# Altium PCB Lancelot.PcbDoc (part 5 of 14)
Units mil, origin at the board's own origin, x right, y up, seen from the top; angles counter-clockwise.
Board outline 4837.61 x 3252.61 mil, 6 copper layers (Top Layer, Mid-Layer 1, Mid-Layer 2, Mid-Layer 3, Mid-Layer 4, Bottom Layer); 372 components, 275 nets, 2062 pads, 1350 vias.
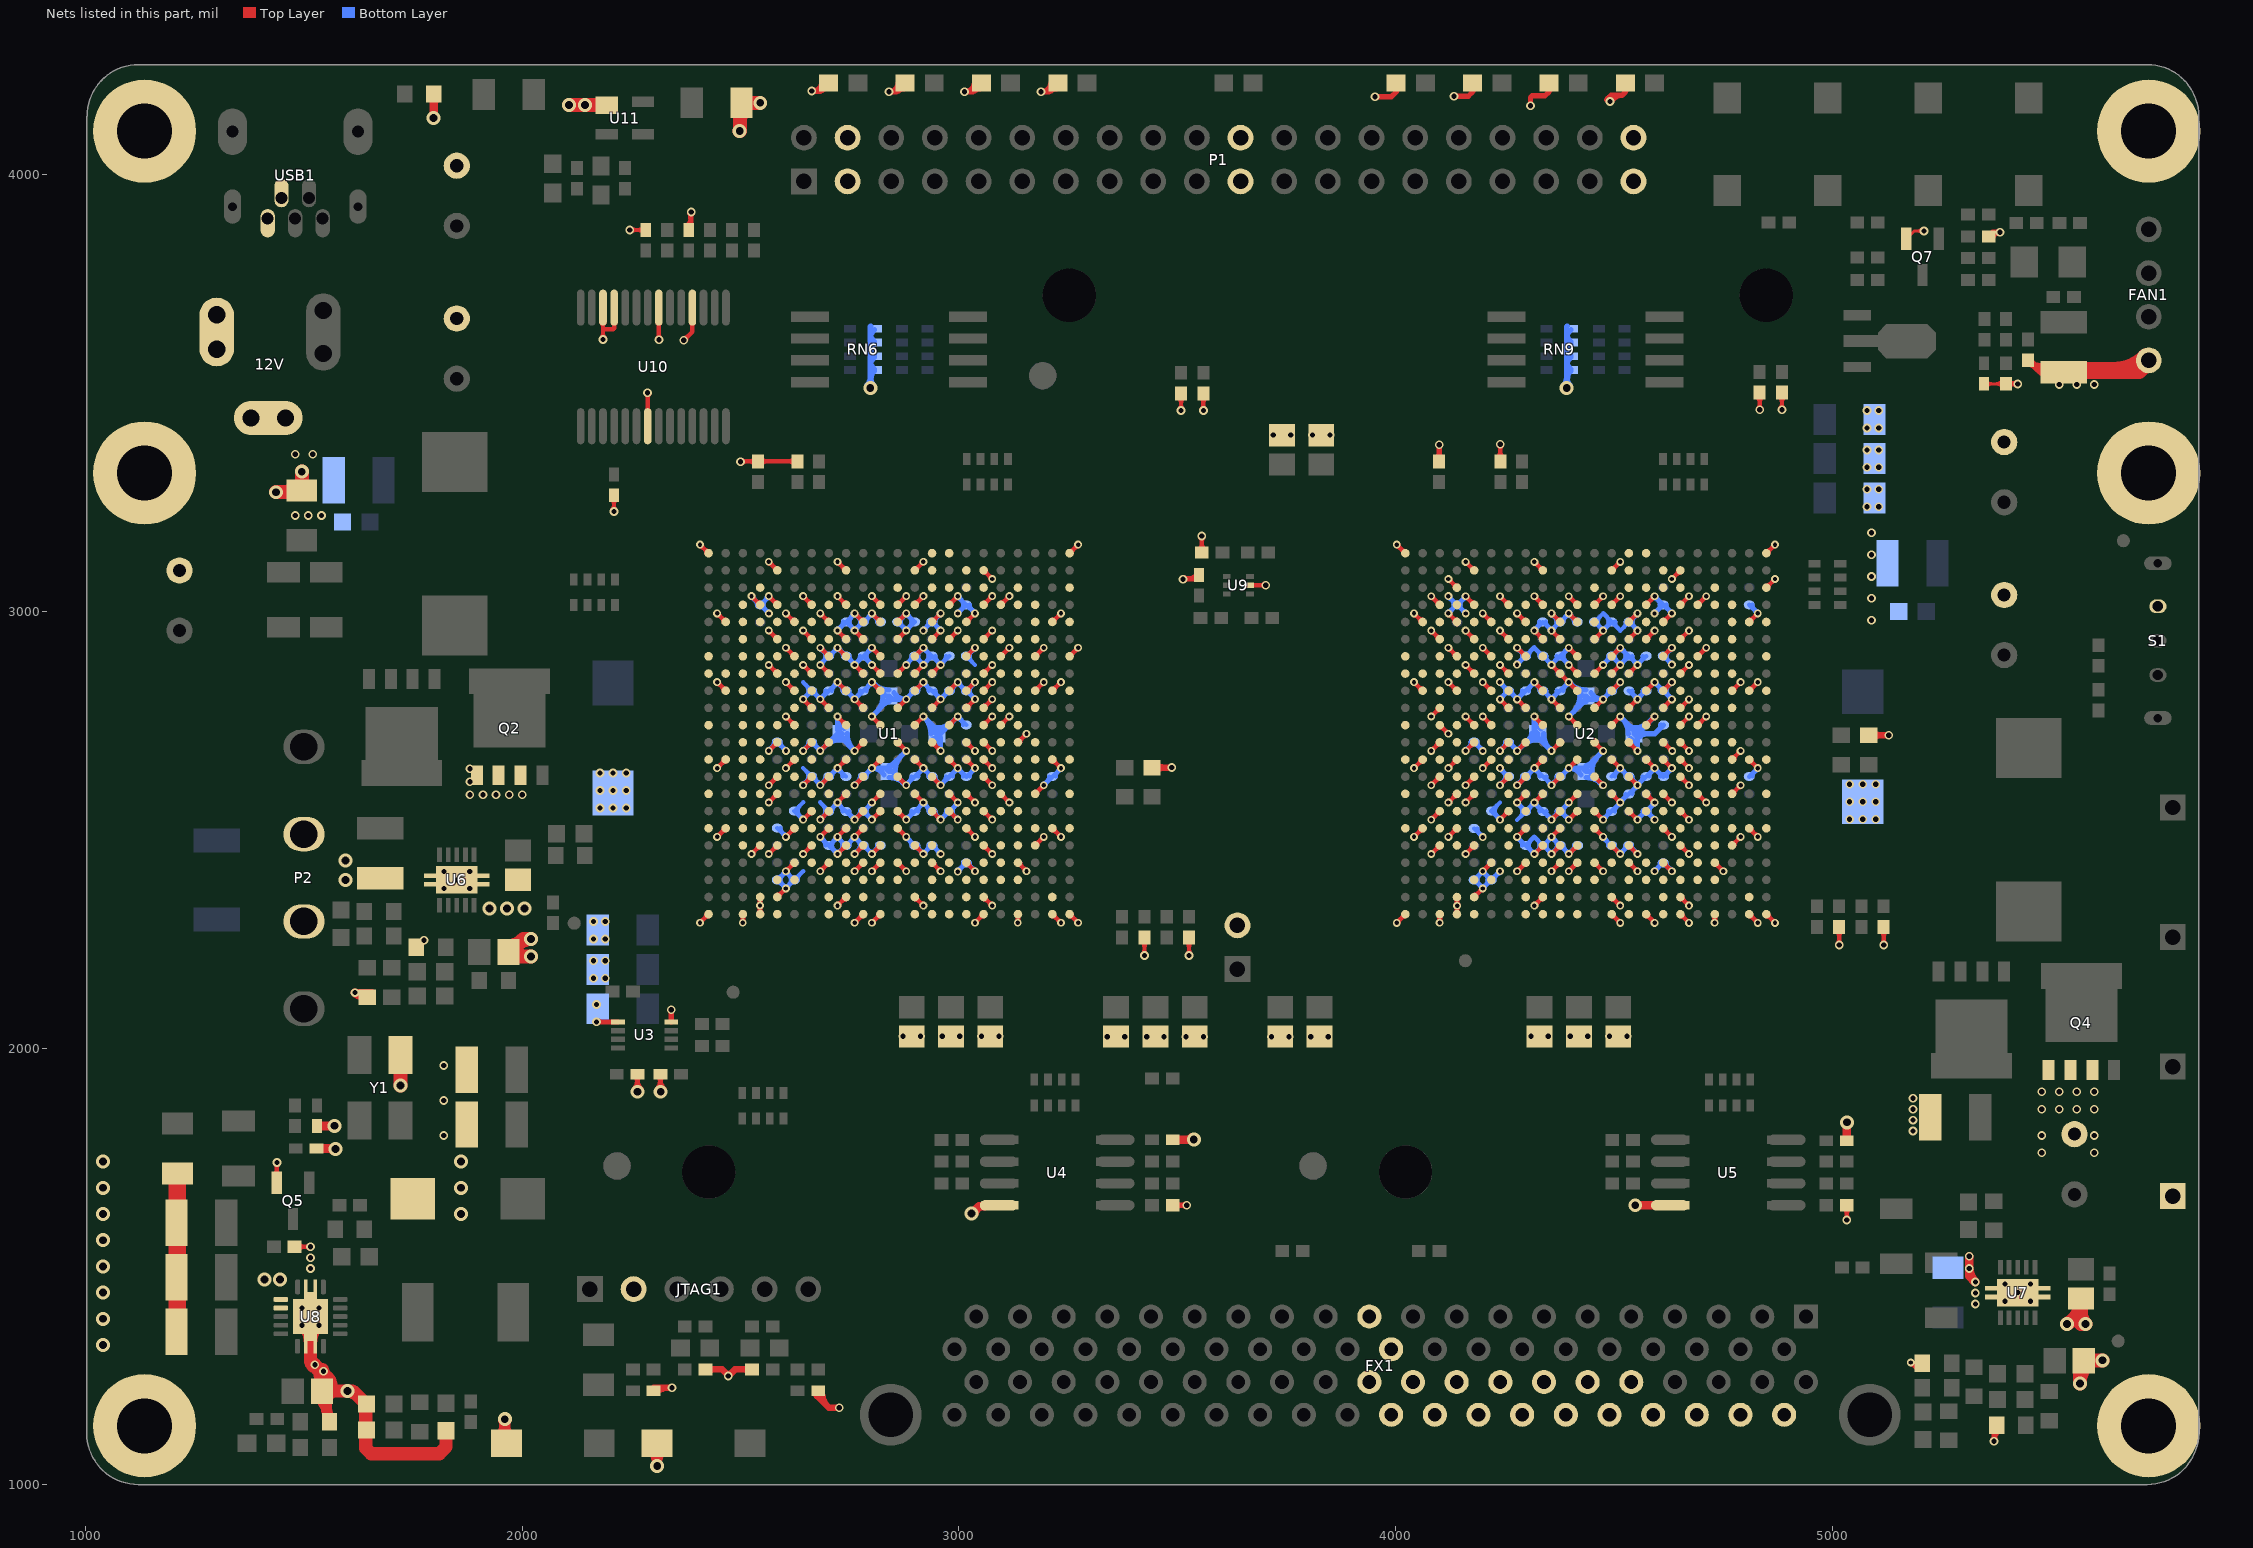
[diagram p9: the nets of this part, all layers, seen from the top]

## Via types
v1: diameter 18, hole 10, Top Layer to Bottom Layer, tented both sides, 625 vias
v2: diameter 20, hole 12, Top Layer to Bottom Layer, tented both sides, 515 vias
v3: diameter 32, hole 18, Top Layer to Bottom Layer, tented both sides, 191 vias
v4: diameter 23.62, hole 11.81, Top Layer to Bottom Layer, tented bottom, 10 vias
v5: diameter 19.68, hole 11.81, Top Layer to Bottom Layer, tented bottom, 4 vias
v6: diameter 118.11, hole 118.11, Top Layer to Bottom Layer, tented bottom, 2 vias
v7: diameter 78.74, hole 78.74, Top Layer to Bottom Layer, tented bottom, 2 vias
v8: diameter 50, hole 28, Top Layer to Bottom Layer, tented both sides, 1 vias

## Nets (pads, with @x,y where several pads share a name; then routed paths per layer and width w, separated by ;. In a path a pad name is that pad's centre, name@x,y a point inside that pad or via, vN(x,y) a via of type N, cw(c..) or ccw(c..) an arc to the next point about the centre after c; other vN are vias at no path point) (continued)
GND: 1_IDLE.2 2_IDLE.2 12V.2 12V.2A 12V.2B 12V.3 12V.3A 12V.3B BATT1.2 C1.1 C2.1 C3.2 C4.1 C5.2 C6.2 C7.1 C8.1 C9.1 C10.2 C11.1 C14.2 C15.2 C16.1 C17.1 C19.2 C20.1 C22.1 C23.2 C24.1 C27.2 C28.2 C29.1 C30.1 C32.1 C33.2 C35.1 C36.1 C37.1 C38.1 C39.1 C40.1 C41.1 C42.1 C43.1 C44.1 C45.1 C46.1 C47.1 C48.1 C49.1 C50.1 C51.1 C52.1 C53.1 C54.1 C55.1 C56.1 C57.1 C58.1 C59.2 C60.1 C61.1 C62.1 C63.1 C64.1 C65.1 C66.2 C67.1 C68.1 C69.1 C70.1 C71.1 C72.1 C73.1 C74.1 C75.1 C76.1 C77.1 C78.1 C79.1 C80.1 C81.1 C82.1 C83.1 C84.1 C85.1 C86.1 C87.1 C88.1 C89.1 C90.1 C91.1 C92.1 C93.1 C94.1 C95.1 C96.1 C97.1 C98.1 C99.1 C100.1 C101.1 C102.1 C103.1 C104.1 C105.1 C106.1 C107.1 C108.1 C109.1 C110.1 C111.1 C112.1 C113.1 C114.1 C115.1 C116.1 C117.1 C118.1 C119.1 C120.1 C121.1 C122.1 C123.1 C124.1 C125.1 C126.1 C127.1 C128.1 C129.1 C130.1 C131.1 C132.1 C133.1 C134.1 C135.2 C136.1 C137.1 C138.1 C139.1 C140.1 C141.1 C142.1 C143.1 C144.1 C145.1 C146.1 C147.1 C148.1 C149.1 C150.1 C151.1 C152.1 C153.1 C154.1 C155.1 C156.1 C157.1 C158.1 C159.1 C160.1 C161.1 C162.1 C163.1 C164.1 C165.1 C166.1 C167.1 C168.1 C169.1 C170.1 C172.1 C173.1 C174.1 C175.1 C176.1 C177.1 C178.1 C179.1 C180.1 C181.1 C182.2 C183.2 C184.2 C185.1 C186.1 C187.2 FAN1.1 FX1.20 FX1.21 FX1.42 FX1.44 FX1.46 FX1.48 FX1.49 FX1.50 FX1.51 FX1.52 FX1.53 FX1.54 FX1.55 FX1.56 FX1.57 FX1.58 FX1.59 FX1.60 FX1.61 GND1.1 JTAG1.2 P1.3 P1.4 P1.21 P1.22 P1.39 P1.40 P2.2 P2.3 pad.0@1135,1135 pad.0@1135,3317 pad.0@1135,4100 pad.0@5725,1135 pad.0@5725,3317 pad.0@5725,4100 PROG1.1 PROG2.1 Q2.1 Q2.2 Q2.3 Q4.1 Q4.2 Q4.3 Q5.2 Q7.2 R6.1 R8.1 R10.1 R12.1 R13.1 R17.1 R22.2 R26.2 R30.2 R34.2 R35.2 R38.2 R44.1 R47.2 R53.1 R56.1 R61.2 R66.1 R71.1 R75.1 R79.2 R81.2 R82.2 R84.2 R86.2 R88.2 R90.2 R92.2 R100.1 RN6.1 RN6.2 RN6.3 RN6.4 RN9.1 RN9.2 RN9.3 RN9.4 RX_1.2 RX_2.2 S1.1 TX_1.2 TX_2.2 U1.A1 U1.A14 U1.A15 U1.A22 U1.AA4 U1.AA5 U1.AA8 U1.AA9 U1.AA10 U1.AA13 U1.AA14 U1.AA16 U1.AA17 U1.AA21 U1.AB1 U1.AB3 U1.AB4 U1.AB5 U1.AB8 U1.AB9 U1.AB10 U1.AB11 U1.AB13 U1.AB14 U1.AB15 U1.AB16 U1.AB17 U1.AB19 U1.AB21 U1.AB22 U1.B5 U1.B9 U1.B13 U1.B14 U1.B16 U1.B17 U1.C4 U1.C12 U1.C14 U1.C15 U1.C16 U1.C17 U1.C19 U1.C22 U1.D3 U1.D4 U1.D5 U1.D7 U1.D8 U1.D9 U1.D10 U1.D11 U1.D12 U1.D13 U1.D14 U1.D15 U1.D17 U1.D18 U1.D19 U1.D20 U1.E2 U1.E3 U1.E4 U1.E5 U1.E6 U1.E7 U1.E8 U1.E10 U1.E11 U1.E12 U1.E14 U1.E15 U1.E16 U1.E20 U1.E21 U1.E22 U1.F3 U1.F5 U1.F7 U1.F8 U1.F9 U1.F10 U1.F12 U1.F13 U1.F14 U1.F15 U1.F16 U1.F17 U1.F18 U1.F19 U1.F20 U1.G1 U1.G3 U1.G4 U1.G5 U1.G6 U1.G7 U1.G8 U1.G9 U1.G11 U1.G13 U1.G16 U1.G17 U1.G18 U1.G19 U1.G20 U1.G22 U1.H1 U1.H2 U1.H3 U1.H4 U1.H5 U1.H6 U1.H7 U1.H8 U1.H10 U1.H11 U1.H12 U1.H13 U1.H14 U1.H16 U1.H17 U1.H18 U1.H19 U1.H20 U1.J2 U1.J3 U1.J4 U1.J6 U1.J7 U1.J9 U1.J11 U1.J13 U1.J15 U1.J16 U1.J17 U1.J19 U1.J20 U1.J21 U1.J22 U1.K3 U1.K6 U1.K7 U1.K8 U1.K10 U1.K12 U1.K14 U1.K16 U1.K17 U1.K18 U1.K19 U1.K20 U1.L1 U1.L3 U1.L4 U1.L5 U1.L6 U1.L9 U1.L11 U1.L13 U1.L15 U1.L17 U1.L18 U1.L19 U1.M3 U1.M4 U1.M5 U1.M6 U1.M7 U1.M8 U1.M10 U1.M12 U1.M14 U1.M16 U1.M17 U1.M18 U1.M19 U1.M20 U1.N1 U1.N2 U1.N3 U1.N4 U1.N6 U1.N7 U1.N9 U1.N11 U1.N13 U1.N15 U1.N16 U1.N17 U1.N19 U1.N20 U1.N21 U1.N22 U1.P3 U1.P4 U1.P5 U1.P6 U1.P7 U1.P8 U1.P10 U1.P12 U1.P14 U1.P17 U1.P18 U1.P19 U1.P20 U1.R1 U1.R3 U1.R4 U1.R5 U1.R7 U1.R8 U1.R9 U1.R11 U1.R13 U1.R15 U1.R16 U1.R18 U1.R19 U1.R20 U1.R22 U1.T3 U1.T4 U1.T7 U1.T8 U1.T10 U1.T11 U1.T12 U1.T14 U1.T15 U1.T16 U1.T17 U1.T18 U1.T19 U1.U1 U1.U2 U1.U3 U1.U4 U1.U6 U1.U7 U1.U8 U1.U9 U1.U10 U1.U12 U1.U16 U1.U17 U1.U19 U1.U20 U1.U21 U1.U22 U1.V3 U1.V4 U1.V5 U1.V7 U1.V9 U1.V10 U1.V11 U1.V13 U1.V14 U1.V17 U1.V18 U1.V19 U1.V20 U1.W6 U1.W7 U1.W8 U1.W9 U1.W10 U1.W11 U1.W12 U1.W13 U1.W14 U1.W15 U1.W16 U1.W17 U1.W18 U1.W19 U1.Y5 U1.Y6 U1.Y8 U1.Y9 U1.Y10 U1.Y11 U1.Y12 U1.Y14 U1.Y15 U1.Y16 U1.Y17 U1.Y18 U1.Y19 U2.A1 U2.A14 U2.A15 U2.A22 U2.AA4 U2.AA5 U2.AA8 U2.AA9 U2.AA10 U2.AA13 U2.AA14 U2.AA16 U2.AA17 U2.AA21 U2.AB1 U2.AB3 U2.AB4 U2.AB5 U2.AB8 U2.AB9 U2.AB10 U2.AB11 U2.AB13 U2.AB14 U2.AB15 U2.AB16 U2.AB17 U2.AB19 U2.AB21 U2.AB22 U2.B5 U2.B9 U2.B13 U2.B14 U2.B16 U2.B17 U2.C4 U2.C12 U2.C14 U2.C15 U2.C16 U2.C17 U2.C19 U2.C22 U2.D3 U2.D4 U2.D5 U2.D7 U2.D8 U2.D9 U2.D10 U2.D11 U2.D12 U2.D13 U2.D14 U2.D15 U2.D17 U2.D18 U2.D19 U2.D20 U2.E2 U2.E3 U2.E4 U2.E5 U2.E6 U2.E7 U2.E8 U2.E10 U2.E11 U2.E12 U2.E14 U2.E15 U2.E16 U2.E20 U2.E21 U2.E22 U2.F3 U2.F5 U2.F7 U2.F8 U2.F9 U2.F10 U2.F12 U2.F13 U2.F14 U2.F15 U2.F16 U2.F17 U2.F18 U2.F19 U2.F20 U2.G1 U2.G3 U2.G4 U2.G5 U2.G6 U2.G7 U2.G8 U2.G9 U2.G11 U2.G13 U2.G16 U2.G17 U2.G18 U2.G19 U2.G20 U2.G22 U2.H1 U2.H2 U2.H3 U2.H4 U2.H5 U2.H6 U2.H7 U2.H8 U2.H10 U2.H11 U2.H12 U2.H13 U2.H14 U2.H16 U2.H17 U2.H18 U2.H19 U2.H20 U2.J2 U2.J3 U2.J4 U2.J6 U2.J7 U2.J9 U2.J11 U2.J13 U2.J15 U2.J16 U2.J17 U2.J19 U2.J20 U2.J21 U2.J22 U2.K3 U2.K6 U2.K7 U2.K8 U2.K10 U2.K12 U2.K14 U2.K16 U2.K17 U2.K18 U2.K19 U2.K20 U2.L1 U2.L3 U2.L4 U2.L5 U2.L6 U2.L9 U2.L11 U2.L13 U2.L15 U2.L17 U2.L18 U2.L19 U2.M3 U2.M4 U2.M5 U2.M6 U2.M7 U2.M8 U2.M10 U2.M12 U2.M14 U2.M16 U2.M17 U2.M18 U2.M19 U2.M20 U2.N1 U2.N2 U2.N3 U2.N4 U2.N6 U2.N7 U2.N9 U2.N11 U2.N13 U2.N15 U2.N16 U2.N17 U2.N19 U2.N20 U2.N21 U2.N22 U2.P3 U2.P4 U2.P5 U2.P6 U2.P7 U2.P8 U2.P10 U2.P12 U2.P14 U2.P17 U2.P18 U2.P19 U2.P20 U2.R1 U2.R3 U2.R4 U2.R5 U2.R7 U2.R8 U2.R9 U2.R11 U2.R13 U2.R15 U2.R16 U2.R18 U2.R19 U2.R20 U2.R22 U2.T3 U2.T4 U2.T7 U2.T8 U2.T10 U2.T11 U2.T12 U2.T14 U2.T15 U2.T16 U2.T17 U2.T18 U2.T19 U2.U1 U2.U2 U2.U3 U2.U4 U2.U6 U2.U7 U2.U8 U2.U9 U2.U10 U2.U12 U2.U16 U2.U17 U2.U19 U2.U20 U2.U21 U2.U22 U2.V3 U2.V4 U2.V5 U2.V7 U2.V9 U2.V10 U2.V11 U2.V13 U2.V14 U2.V17 U2.V18 U2.V19 U2.V20 U2.W6 U2.W7 U2.W8 U2.W9 U2.W10 U2.W11 U2.W12 U2.W13 U2.W14 U2.W15 U2.W16 U2.W17 U2.W18 U2.W19 U2.Y5 U2.Y6 U2.Y8 U2.Y9 U2.Y10 U2.Y11 U2.Y12 U2.Y14 U2.Y15 U2.Y16 U2.Y17 U2.Y18 U2.Y19 U3.4 U3.5 U4.4 U5.4 U6.11 U7.11 U8.2 U8.3 U8.15 U9.2 U10.7 U10.18 U10.21 U10.25 U10.26 U11.1 USB1.4 USB1.5 VALID.2 Y1.2 | length 47820.5
  Top Layer w7: Q7.2@5169.6,3853.34 5187.76,3871.5 v2(5210.08,3871.5) ; v2@5205.48,3866.9 ccw(c5194.38,3855.81) 5194.38,3871.5 ccw(c5194.38,3887.19) v2@5205.48,3876.1 ; C183.2@5347.81,3521.38 R79.2@5397.81,3521.38 ; C183.2@5353.69,3515.5 cw(c5367.88,3501.31) 5367.88,3521.38 cw(c5367.88,3541.44) C183.2@5353.69,3527.25 ; R79.2@5390.54,3514.11 ccw(c5372.99,3496.56) 5372.99,3521.38 ccw(c5372.99,3546.19) R79.2@5390.54,3528.65 ; R79.2@5404.81,3521.38 v2@5425,3521.38 ; R79.2@5405.08,3514.11 cw(c5422.63,3496.56) 5422.63,3521.38 cw(c5422.63,3546.19) R79.2@5405.08,3528.65 ; R79.2@5408.4,3521.38 cw(c5408.4,3504.4) v2@5420.4,3516.4 ; R79.2@5410.22,3521.38 ccw(c5410.22,3535.78) v2@5420.4,3525.6 ; v2@5419.33,3517.83 ccw(c5406.97,3510.92) 5410.64,3524.59 ccw(c5414.03,3537.25) v2@5421.36,3526.39 ; v2@5419.37,3524.25 cw(c5408.68,3530.43) 5411.87,3518.5 cw(c5414.22,3509.66) v2@5420.52,3516.29